# KiCad board mainboard.kicad_pcb (continued)
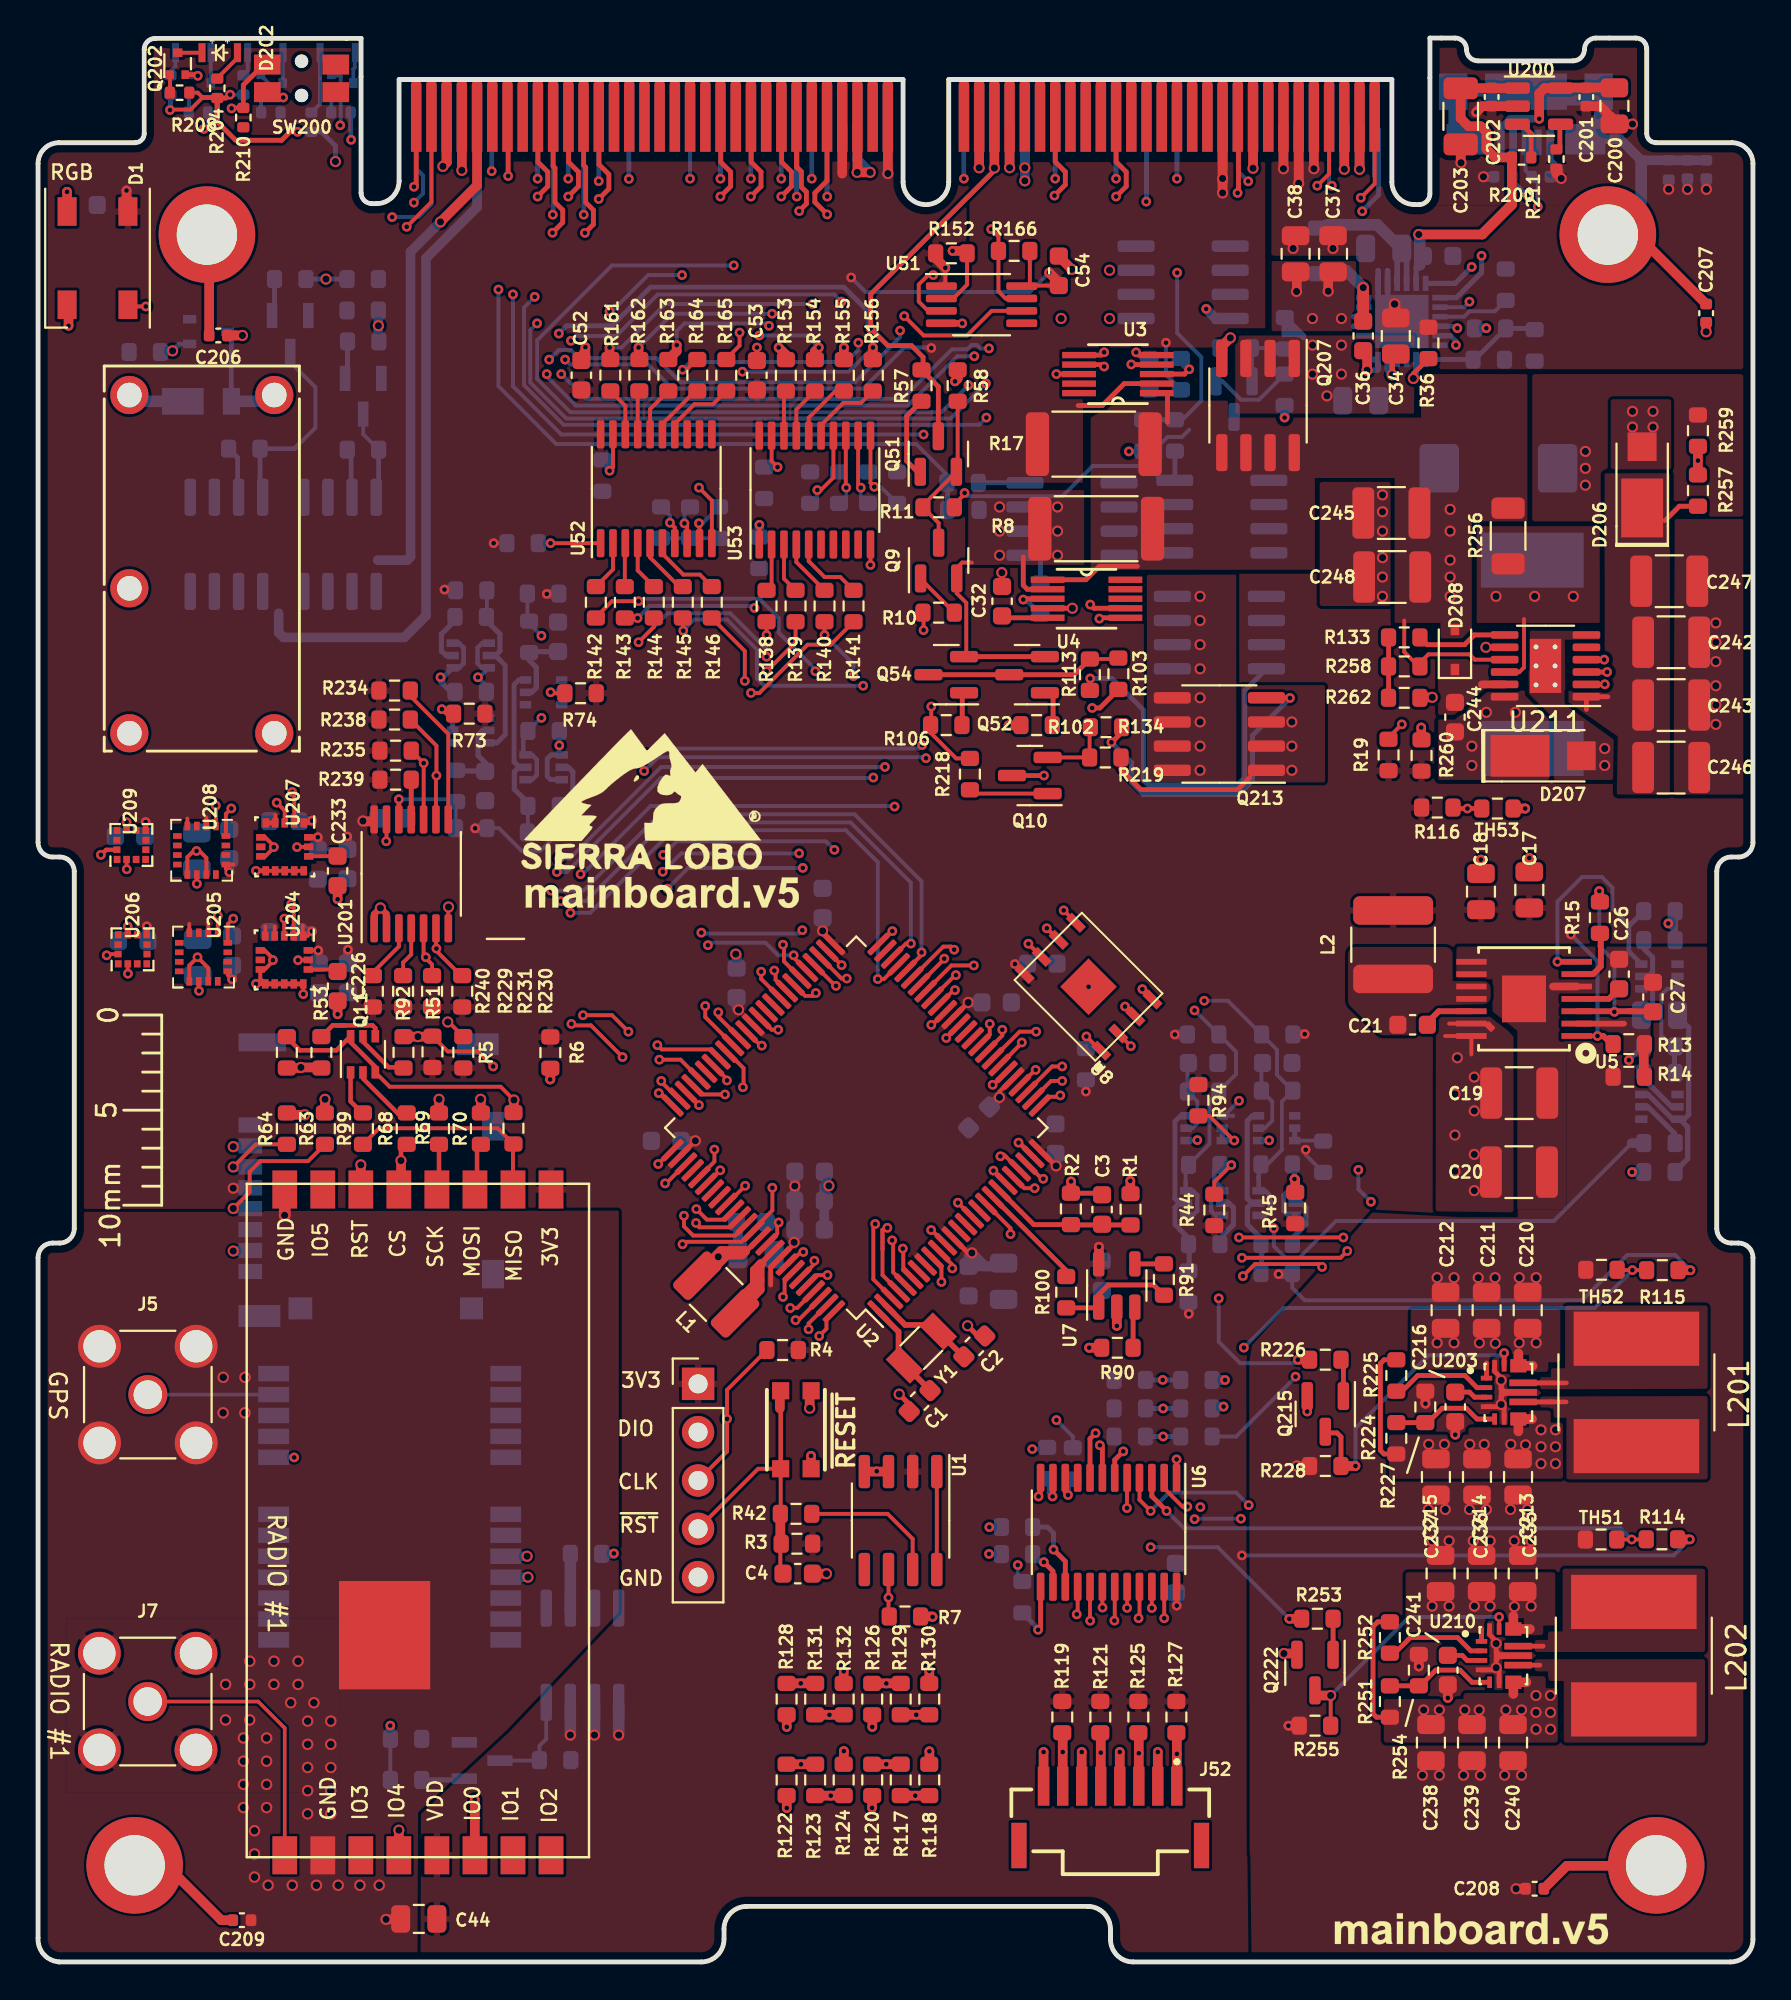
[diagram p0: board, top side]
## Routing (per net, layer and track width the routed paths; a pad name or vN(x,y) marks a point on that pad's centre or on a via; arc(x,y) is an arc through that point) (continued)
SLR_CHRG_NTC: length 105.5
  Top w0.203: v3(58.5,23.71) 57.91,24.3 U6.4
  Top w0.254: 74.45,60.64 v3(75.16,60.64) TH53.1
  In2.Cu w0.203: v3(75.16,60.64) 71.2,64.6 71.2,66.21 72.72,67.73 72.72,76.62 71.58,77.76 58.88,77.76 58.35,77.23 58.35,57.18 63.12,52.41 63.12,48.96 64.98,47.1 67.95,47.1 70.56,44.48 70.56,39.77 70.56,37.76 67.79,34.99 67.79,31.31 63.66,27.17 v3(63.66,24.02)
  Bottom w0.203: v3(63.66,24.02) 62.99,24.68 59.46,24.68 v3(58.5,23.71)
SLR_TLE_1: length 146
  Top w0.254: R120.2 v3(44.6,10.4) R117.1
  Top w0.508: R120.2 R117.1
  In2.Cu w0.203: v3(44.6,10.4) 41.61,10.4 41,11.01 39.02,11.01 38.36,11.67 38.36,14.77 40.36,16.78 49.23,16.78 51.41,18.96 53.33,18.96 54.75,20.38 59.78,20.38 62.11,22.71 62.11,27.79 64.39,30.08 64.39,31.98 66.14,33.73 66.14,38.5 67.49,39.85 67.49,43.7 ; v3(68.02,93.38) 66.63,91.99 64.38,91.99 62.38,89.98 51.41,89.98 45.93,84.49 45.93,63.03 46.69,62.27 48.37,62.27 58.93,51.71 58.93,46.85 61.44,44.34 66.81,44.34 67.45,43.7
  Bottom w0.203: v3(68.02,93.38) 67.88,93.52 P1.113
SLR_TLE_2: length 143
  Top w0.203: v3(67.26,93.38) 67.88,94.01 P1.114
  Top w0.254: R122.2 40.11,10.4 v3(40.12,10.39) 40.12,10.4 R123.1
  Top w0.508: R122.2 R123.1
  In2.Cu w0.203: v3(40.12,10.39) 38.87,10.39 37.75,11.52 37.75,14.77 40.08,17.11 45.27,17.11 47.45,19.29 53.06,19.29 54.48,20.71 59.64,20.71 61.78,22.85 61.78,27.93 64.06,30.21 64.06,32.14 65.81,33.9 65.81,38.64 67.16,39.99 67.16,43.52 66.78,43.9 60.71,43.9 58.58,46.04 58.58,51.6 48.54,61.63 46.31,61.63 45.57,62.37 45.57,84.65 51.24,90.31 58.37,90.31 59.46,91.4 63.33,91.4 64.3,92.37 66.25,92.37 v3(67.26,93.38)
SLR_TLE_3: length 136.4
  Top w0.203: P1.4 20.68,92.53 v3(19.38,91.22)
  Top w0.254: R126.2 44.6,14.65 v3(44.6,14.64) 44.61,14.65 R129.1
  Top w0.508: R126.2 R129.1
  In2.Cu w0.203: v3(46.48,63.97) 47.68,63.97 60,51.65 60,49.21 64.09,45.12 67,45.12 68.15,43.97 68.15,39.55 66.8,38.21 66.8,33.41 65.05,31.66 65.05,29.8 62.76,27.52 62.76,22.44 59.87,19.55 54.84,19.55 53.55,18.25 52.23,18.25 49.91,15.94 45.9,15.94 v3(44.6,14.64) ; v3(19.38,91.22) 19.38,90.77 23.14,87.01 28.76,87.01 30.69,85.09 30.69,83.48 31.32,82.84 31.32,73.29 32.08,72.53 32.08,63.5
  Bottom w0.203: v3(46.48,63.97) 46.31,63.79 32.32,63.79 v3(31.98,63.46)
SLR_TLE_4: length 143.4
  Top w0.254: R128.2 40.1,14.65 v3(40.1,14.65) 40.1,14.65 R131.1
  Top w0.508: R128.2 R131.1
  In2.Cu w0.203: v3(31.87,62.61) 30.94,63.54 30.94,82.59 29.54,83.99 29.54,84.87 27.74,86.68 22.02,86.68 18.62,90.08 v3(18.62,91.73) ; v3(40.1,14.65) 41.8,16.34 49.61,16.34 51.84,18.58 53.41,18.58 54.78,19.95 59.81,19.95 62.43,22.57 62.43,27.65 64.72,29.94 64.72,31.84 66.47,33.59 66.47,38.37 67.82,39.71 67.82,43.84 66.99,44.67 62.18,44.67 59.26,47.59 59.26,51.91 54.28,56.88 54.28,56.9 48.06,63.12 46.7,63.12 ; v3(46.69,63.28) 46.7,63.27
  Bottom w0.203: P1.3 20.68,92.4 20.02,91.73 v3(18.62,91.73) ; v3(31.87,62.61) 32.59,63.33 46.64,63.33 v3(46.69,63.28)
STAT: length 81.4
  Top w0.3: v2(71.2,83.44) 71.2,84.47
  In2.Cu w0.203: v3(16.46,95.8) 16.46,91.73 22.05,86.14 v3(26.24,86.14) ; v3(49.84,82.99) 52.48,85.64 57.74,85.64 62.82,80.56 68.31,80.56 v2(71.2,83.44) 75.04,87.29 v3(75.26,87.29)
  Bottom w0.203: v3(26.24,86.14) 25.88,85.79 25.88,83.03 27.77,81.14 47.98,81.14 v3(49.84,82.99) ; v3(75.26,87.29) 74.97,87 U17.2
  Bottom w0.235: R209.2 16.44,95.82
  Bottom w0.3: v2(71.2,83.44) 70.96,83.68 U17.11
SWCLK: length 20.1
  Top w0.203: v3(40.24,37.33) 40.11,37.33 39.45,36.67 U2.93 ; U2.93 39.38,36.67 ; U2.93 39.46,36.67 ; 38.32,32.17 36.23,30.07 v3(36.23,28.55) 36.23,26.84 J2.3
  In2.Cu w0.203: v3(36.23,28.55) 36.23,33.38 40.18,37.33 v3(40.24,37.33)
SWDIO: length 11.6
  Top w0.203: v3(39.17,34.96) 39.25,35.05 39.25,35.84 U2.94
  In2.Cu w0.203: J2.2 36.58,27.85 37.04,28.31 37.04,32.65 39.17,34.79 v3(39.17,34.96)
THM: length 6.1
  Bottom w0.254: 75.53,84.24 R34.2 78.44,85.88 ; U17.7 75.45,84.25
TX_MCU: length 30.3
  Top w0.203: U2.99 40.52,33.57 v3(40.52,33.26)
  In2.Cu w0.203: v2(25.76,20.23) 27.56,18.43 35.54,18.43 37.87,20.76 37.87,30.49 40.52,33.14 v3(40.52,33.26)
  Bottom w0.508: v2(25.76,20.23) U14.21
TX_MCU_2: length 32
  Top w0.203: R144.1 32.38,70.18 v3(31.57,69.38) ; v3(42.52,51.7) 42.25,51.7 U2.53
  In2.Cu w0.203: v3(38.31,68.62) 38.88,68.05 38.88,56.44 40.08,55.23 41.86,55.23 42.88,54.22 42.88,52.06 v3(42.52,51.7)
  Bottom w0.203: v3(38.31,68.62) 38.31,69 36.4,70.9 33.1,70.9 v3(31.57,69.38)
TX_MCU_3: length 32.9
  Top w0.203: v3(49.2,52.39) 48.02,52.39 U2.43 ; 33.93,70.63 v3(33.93,69.99)
  In2.Cu w0.203: v3(49.2,52.39) 49.2,54.04 43.39,59.86 v3(43.39,67.09)
  Bottom w0.203: v3(33.93,69.99) 34.51,70.57 36.22,70.57 37.8,69 37.8,67.48 38.18,67.09 v3(43.39,67.09)
TX_MCU_4: length 23.8
  Top w0.203: v3(37.16,67.35) 37.16,68.92 R146.1 ; U2.57 40.33,50.79 40.74,50.79 v3(40.9,50.94)
  In2.Cu w0.203: v3(40.9,50.94) 40.24,51.6 40.24,53.28 38.18,55.33 38.18,66.84 37.67,67.35 v3(37.16,67.35)
USB_D+: length 108
  Top w0.203: v3(32.64,45.68) 32.71,45.68 U2.75
  In2.Cu w0.203: v3(50,84.83) 50,84.87 52.57,87.44 59.04,87.44 60.72,85.77 61.87,85.77 65.07,88.97 75.23,88.97 v3(75.38,89.11) 76.14,89.11 78.76,91.73 78.76,92.19 v3(78.86,92.28) 78.83,92.25 ; v3(32.64,45.68) 34.02,45.68 34.77,46.43 34.77,47.48 30.86,51.39 30.86,59.3 30.28,59.88 30.28,70.49 29.54,71.22 29.54,81.13 27.36,83.32 27.36,83.32 v3(27.51,83.48)
  Bottom w0.203: v3(27.51,83.48) 28.81,82.18 45.45,82.18 48.05,84.78 48.86,84.78 49.09,85.01 49.36,85.01 49.55,84.83 v3(50,84.83) ; v3(78.86,92.28) 78.86,93.54 Z200.1 78.21,94.18 J200.3
  Bottom w0.272: v3(75.38,89.11) 74.51,88.25 U17.24
USB_D-: length 108.7
  Top w0.203: 33.66,45.38 32.77,46.27 v3(32.77,46.32)
  In2.Cu w0.203: v3(78.31,92.88) 78.31,91.92 76.09,89.7 v3(75.9,89.7) 75.14,89.7 74.85,89.42 64.88,89.42 61.68,86.22 60.9,86.22 59.23,87.89 52.39,87.89 49.23,84.74 v3(49.23,84.42) ; v3(26.75,83.48) 26.9,83.32 26.9,83.13 29.03,81 29.03,71.09 29.82,70.3 29.82,59.45 30.41,58.86 30.41,51.2 34.32,47.29 34.32,46.61 33.83,46.12 32.96,46.12 v3(32.77,46.32)
  Bottom w0.203: v3(26.75,83.48) 26.75,83.35 28.28,81.83 45.74,81.83 48.33,84.42 v3(49.23,84.42) ; 77.52,93.67 v3(78.31,92.88) ; J200.2 77.56,93.89
  Bottom w0.272: U17.1 74.58,87.5 75.9,88.81 v3(75.9,89.7)
VBURN1: length 36.2
  Bottom w0.508: P1.9 23.08,92.26 20.4,89.57 20.4,70.78 19.26,69.63 12.91,69.63 12.65,69.89 12.65,70.9
VBURN2: length 25.9
  Top w0.508: v2(21.16,91.48) 21.16,91.48 23.08,93.4 P1.10
  Bottom w0.508: v2(21.16,91.48) 19.59,89.9 19.59,73.88 19.41,73.7 17.86,73.7
VCHRG: length 14
  Top w0.203: 72.66,68.3 73.1,68.75 75.26,68.75 75.54,68.46 U211.9 ; 71.83,70.52 71.83,68.87 72.6,68.11
  Top w0.254: 59.39,82.46 59.39,80.94 ; U4.1 55.1,72.67 55.8,73.37 57.8,73.37
  vias: v2(74.25,76.37) v2(74.25,75.22) v2(74.25,73.7) v2(74.25,72.81) v2(74.25,71.79)
VCHRG_USB: length 5.5
  Bottom w0.203: 65.48,86.38 65.48,85.51
  Bottom w0.305: R216.1 65.55,86.28 65.85,85.98 ; R216.1 65.55,85.69 65.66,85.59 ; R216.1 65.56,86.45 66.53,85.48 66.53,85.41 ; R216.1 65.55,86.38 ; 65.86,85.59 65.85,85.6 65.85,85.98 ; 65.86,85.59 66.2,85.59 ; 65.86,85.59 65.56,85.59 ; 65.85,85.98 66.3,85.53
  vias: v2(67.01,85) v2(67.01,83.48) v2(67.77,82.33) v2(68.53,85) v2(68.53,83.48)
VPYLD_NTC: length 28.7
  Top w0.203: TH51.1 v3(83.8,22.21) 84.55,22.21
  Top w0.254: v3(59.34,23.71) 58.56,24.49 U6.3
  Bottom w0.203: v3(83.8,22.21) 83.21,22.8 60.25,22.8 v3(59.34,23.71)
VRF_NTC: length 35.5
  Top w0.203: v3(60.43,23.94) 60.17,23.94 59.21,24.9 U6.2 ; R115.2 v3(83.83,36.37) 83.05,36.37
  In2.Cu w0.203: v3(63.4,32.3) 63.22,32.3 60.51,29.58 60.51,24.02 v3(60.43,23.94)
  Bottom w0.203: v3(63.4,32.3) 65.48,34.38 81.84,34.38 v3(83.83,36.37)
VSOLAR: length 117.6
  Top w0.508: P1.7 22.28,94.25 ; P1.117 69.48,94.21
  In2.Cu w0.203: v2(84.91,80.69) 84.91,73.83 81.23,70.14 78.06,70.14 76.28,68.36 75.9,68.36 75.52,68.75 75.52,76.59 73.21,78.91 57.94,78.91 57.36,78.32 57.36,56.77 62.13,52 62.13,48.55 64.57,46.11 67.54,46.11 69.55,44.1 69.55,41.77 v3(69.42,41.64) ; v3(66.12,30.77) 66.7,30.77 67.47,31.53 67.47,35.24 70.08,37.86 v3(70.08,39.97)
  Bottom w0.203: v3(66.12,30.77) 66.12,30.75 63,27.62 R59.1 ; v3(70.08,39.97) 69.42,40.63 v3(69.42,41.64)
  Bottom w0.508: P1.117 v2(69.48,94.25) ; P1.7 v2(22.28,94.19)
  vias: v2(83.84,81.52) v2(83.84,80.69) v2(84.91,81.52)
WDT_WDI: length 44.8
  Top w0.203: v3(34.75,45.05) 34.07,45.73 U2.73 ; 44.72,18.2 v3(44.72,19.15) U1.6
  In2.Cu w0.203: v3(34.75,45.05) 34.75,45 37.7,42.05 37.7,40.6 38.08,40.22 39.46,40.22 44.84,34.84 45.49,34.84 52.94,27.39 52.94,26.61 52.09,25.76 52.09,20.68 51.77,20.36 45.92,20.36 v3(44.72,19.15)
~{CHRG_SHDN}: length 132.6
  Top w0.203: v3(71.71,65.06) 71.01,64.36 ; 36.29,46.34 U2.69 ; v3(63.3,37.02) 68.48,37.02 v3(68.84,37.38)
  Top w0.254: U211.3 v3(82.5,67.81)
  In2.Cu w0.203: v3(68.84,37.38) 69.5,38.04 69.5,40.42 70.23,41.16 70.23,44.35 67.81,46.77 64.84,46.77 62.79,48.83 62.79,52.27 58.02,57.05 58.02,77.48 58.68,78.14 72.09,78.14 73.23,77 73.23,67.77 71.71,66.25 v3(71.71,65.06) 72.47,64.3 73.23,64.3 73.48,64.55 78.56,64.55 81.82,67.81 v3(82.5,67.81) ; v3(36.22,46.34) 36.53,46.65 37.39,46.65 42.24,41.8 42.24,38.87 44.95,36.16 46.13,36.16 48.77,38.8 58.73,38.8 60.51,37.02 v3(63.3,37.02)
~{CHRG}: length 112.1
  Top w0.203: v3(48.36,39.92) 48.67,39.61 48.68,39.61 U2.15 ; v3(68.63,38.09) v3(63.15,38.09)
  Top w0.254: v3(82.35,68.47) 82.35,68.46 U211.4
  Top w0.508: v3(72.73,64.9) 72.73,64.27 R260.2
  In2.Cu w0.203: v3(63.15,38.09) 60.2,38.09 59.03,39.26 49.02,39.26 v3(48.36,39.92) ; v3(68.63,38.09) 68.89,38.09 69.17,38.37 69.17,40.65 69.9,41.39 69.9,44.21 67.67,46.44 64.71,46.44 62.46,48.69 62.46,52.14 57.69,56.91 57.69,77.81 58.45,78.58 72.54,78.58 73.61,77.51 73.61,67.5 74.12,66.99 74.12,66.29 v3(72.73,64.9) 78.4,64.9 81.97,68.47 v3(82.35,68.47)
~{MUX_EN}: length 18.8
  Top w0.203: U2.96 40.93,36.11 41.51,36.11 v3(41.51,36.11)
  In2.Cu w0.203: v3(41.51,36.11) 41.51,36.08 50.12,27.47 50.12,22.96 v3(50.02,22.86)
  Bottom w0.203: v3(50.02,22.86) 50.02,22.86 R89.1
~{RESET}: length 143.5
  Top w0.203: 39.03,20.55 R42.1 39.05,23.58 SW1.A' 37.86,25.93 J2.4 ; v3(33.89,37.73) 34.01,37.86 36.99,37.86 37.56,38.44 U2.88 37.6,38.5 38.61,39.51 v3(38.61,40.7)
  Top w0.235: SW1.A' 39.05,29.06 ; SW1.A 39.05,29.15 ; R210.2 10.2,97.47 v3(10.18,97.45)
  Top w0.254: 11.87,99.75 10.79,98.68 R210.2
  Top w0.508: SW1.A 39,29.98 39,29.1 ; R42.1 39.03,22.03 R3.2
  In2.Cu w0.203: v3(42.24,87.29) 42.58,87.29 48.68,93.39 v3(48.68,93.75) ; v3(10.18,97.45) 10.18,96.09 21.14,85.13 27.92,85.13 v3(28.02,85.23) 28.02,84.75 30.61,82.16 30.61,60.31 31.19,59.73 31.19,51.57 35.61,47.16 35.61,45.2 38.61,42.2 v3(38.61,40.7) ; v3(33.89,37.73) 33.43,37.27 33.43,24.05 J2.4
  Bottom w0.203: v3(42.24,87.29) 41.86,87.67 32.59,87.67 30.41,85.49 28.28,85.49 v3(28.02,85.23)
  Bottom w0.254: v3(48.68,93.75) 48.68,96.55
~{SELF_TEST}: length 90.1
  Top w0.203: U2.78 33.03,40.93 v3(32.97,40.93)
  Top w0.508: R6.2 26.94,46.4 v3(26.93,46.39)
  In2.Cu w0.203: v3(32.97,40.93) 32.46,40.93 27,46.39 v3(26.93,46.39) 26.93,50.48 28.58,52.13 28.58,57.14 v3(28.53,57.19) ; v3(63.63,93.61) 63.63,92.16 63.2,91.73 59.33,91.73 58.24,90.64 51.1,90.64 45.16,84.71 45.16,60.87 v3(45.04,60.74)
  Bottom w0.203: P1.101 63.08,94.16 v3(63.63,93.61) ; 45.04,60.77 32.21,60.77 28.63,57.19 v3(28.53,57.19)
~{USB_EN}: length 1.2
  Top w0.254: 80.02,96.61 80.02,95.47 79.96,95.42
Net-(C6-Pad1): length 12
  Bottom w0.272: 86.04,41.53 86.74,42.23 86.74,43.89 86.33,44.3 ; 86.04,49.88 86.79,49.13 86.79,44.54 86.55,44.3 Q3.3 85.95,44.3 84.65,45.6 Q3.6
Net-(C6-Pad2): length 4.4
  Bottom w0.272: 84.49,49.91 84.89,50.31 84.89,51.57 84.65,51.81 84.89,52.05 84.89,52.82 84.47,53.24 84.47,53.72
Net-(C7-Pad2): length 1.7
  Top w0.254: U3.5 57.88,84.48 v3(57.74,84.62)
  Bottom w0.254: 58.1,84.25 v3(57.74,84.62)
Net-(C8-Pad1): length 4.2
  Bottom w0.272: 21.99,62.61 23.51,62.61 23.51,63.05 23.14,63.42 23.14,64.5 23.38,64.74 Q12.5
Net-(C12-Pad2): length 10.2
  Top w0.254: U2.89 37.25,37.38 37.18,37.38
  Top w0.508: 35.17,36.13 36.42,37.38 ; 37.05,37.25 37.18,37.38 35.91,37.38 34.67,36.13 ; 35.72,37.19 35.72,37.12 v2(35.77,37.07) 35.88,37.19 36.99,37.19
  Bottom w0.508: v2(35.77,37.07) 35.88,37.19 C14.1 36.8,38.83
Net-(C21-Pad2): length 2.5
  Top w0.305: 73.06,49.4 73.65,49.98 U5.12
Net-(C26-Pad1): length 1.9
  Top w0.305: 83.11,51.15 82.59,50.63 81.43,50.63
Net-(C27-Pad1): length 13.5
  Top w0.279: 85.2,49.97 83.83,49.97 ; 82.09,56.17 82.09,55.53
  Top w0.305: C27.1 84.88,49.98 83.64,49.98 ; U5.3 83.64,49.98 ; 83.64,49.98 83.82,49.98
  Top w0.508: v3(82.09,56.3) 82.09,55.76 R15.2
  Bottom w0.203: v3(82.09,56.3) 82.09,53.41 82.88,52.62 v3(82.88,49.95)
Net-(C32-Pad2): length 2
  Top w0.254: U4.5 51.04,70.67
Net-(C35-Pad2): length 7.5
  Bottom w0.3: U17.21 71.46,89.68 ; U17.22 71.96,89.78
  Bottom w0.61: 67.77,91.33 70.41,91.33 71.76,89.98
Net-(C36-Pad1): length 5.2
  Top w0.61: 69.68,86.27 v2(69.68,88.02)
  Bottom w0.272: 69.49,87 69.49,87.5 ; 69.93,87 69.93,87.5
  Bottom w0.61: v2(69.68,88.02) 68.77,88.93 67.77,88.93 ; 69.68,87.64 69.68,87.77
Net-(C36-Pad2): length 3.3
  Top w0.508: C36.2 69.88,84.51 v2(69.88,83.68)
  Bottom w0.3: 70.46,83.73 70.41,83.68 v2(69.88,83.68) 69.88,84.1 70.03,84.25 U17.12 70.46,83.73
Net-(C40-Pad1): length 4.2
  Bottom w0.272: Q13.5 25.95,66.74 26.19,66.98 26.19,68.07 25.82,68.44 25.82,68.88 27.34,68.88
Net-(C41-Pad1): length 4.1
  Bottom w0.203: 64.32,47.2 R95.2 64.89,45.24 64.89,44.22 64.5,43.83 Q18.5
Net-(C42-Pad1): length 4
  Bottom w0.203: 60.43,47.21 R96.2 60.96,45.24 60.96,44.09 60.69,43.83 Q19.5
Net-(C200-Pad1): length 8.2
  Top w0.508: 82.7,98.54 80.05,98.54 ; 80.02,98.51 79.21,98.51 78.93,98.23 v3(78.93,96.9)
  Bottom w0.381: J200.1 76.91,96.41 77.4,96.9 v3(78.93,96.9)
Net-(C216-Pad2): length 1.8
  Top w0.254: C216.2 75.27,29.96 75.53,29.69 U203.3
Net-(C225-Pad1): length 1.2
  Top w0.203: v3(8.46,51.06) 8.45,51.07 U205.10
  Bottom w0.203: v3(8.46,51.06) 8.46,51.79
Net-(C226-Pad1): length 1.4
  Top w0.203: U204.14 15.64,52.18
Net-(C232-Pad1): length 1.3
  Top w0.203: U208.10 8.35,56.68 v3(8.35,56.68)
  Bottom w0.203: v3(8.35,56.68) 8.35,57.45
Net-(C233-Pad1): length 1.5
  Top w0.203: C233.1 14.24,58.13
Net-(C241-Pad2): length 1.8
  Top w0.254: C241.2 74.88,16.12 75.14,15.85 75.77,15.85
Net-(C242-Pad1): length 3.8
  Top w0.254: 81.41,65.84 U211.1 82.54,66.51 ; 85.55,75.78 86.3,76.53 R257.1
Net-(C244-Pad1):
  vias: v2(75.39,63.92) v2(75.39,62.9) v2(76.15,65.7) v2(77.68,65.7)
Net-(C244-Pad2): length 1.2
  Top w0.406: U211.11 75.92,67.16
Net-(D1-Pad4): length 64.2
  Top w0.203: v3(28.65,49.77) 30.18,49.77 v3(31.04,48.91) ; v3(32.67,47.43) 33.78,47.43 U2.71 ; v3(5.67,87.03) 4.82,87.03
  In2.Cu w0.203: v3(5.67,87.03) 13.16,87.03 17.1,83.1 23.95,83.1 27.84,79.21 27.84,70.45 28.57,69.72 28.57,58.92 29.39,58.1 29.39,51.68 28.65,50.94 v3(28.65,49.77) ; v3(31.04,48.91) 32.31,47.64 32.46,47.64 v3(32.67,47.43)
Net-(D4-PadA): length 5.9
  Bottom w0.203: 10.16,85.52 Q6.3
  Bottom w0.254: D4.A 10.16,85.52
  Bottom w0.61: D4.A 12.29,82.05
Net-(D200-Pad1): length 1.6
  Bottom w0.203: Q200.3 D200.1
Net-(D200-Pad2): length 1.3
  Bottom w0.203: D200.2 7.22,99.65 6.96,99.39 R202.2
Net-(D201-Pad1): length 1.6
  Bottom w0.203: Q201.3 12.87,100.36
Net-(D201-Pad2): length 1.3
  Bottom w0.203: R203.2 11.02,99.42 D201.2
Net-(D202-Pad1): length 1.3
  Top w0.203: Q202.3 8.62,100.37
Net-(D202-Pad2): length 1.5
  Top w0.203: 9.42,99.03 10.48,100.09
Net-(D203-Pad1): length 1.6
  Bottom w0.203: Q203.3 16.58,99.52 16.65,99.59 16.65,100.38
Net-(D203-Pad2): length 3.3
  Bottom w0.203: R205.2 14.82,97.68 D203.2
Net-(L1-Pad1): length 7.6
  Top w0.254: 38.62,37.33 37.94,36.65 37.94,36.61
  Top w0.508: 36.7,34.61 37.94,35.85 ; 37.69,35.09 37.69,36.36 38.04,36.71 ; 36.7,34.1 37.94,35.34 37.94,36.61
Net-(L201-Pad1): length 2.3
  Top w0.235: 79.72,30.44 80.37,30.44
  Top w0.254: U203.11 79.72,30.44
Net-(L201-Pad2): length 2.5
  Top w0.235: 79.48,29.44 80.35,29.44
  Top w0.254: U203.9 79.72,29.44
Net-(L202-Pad1): length 1.3
  Top w0.254: U210.11 79.13,16.6
Net-(L202-Pad2): length 1.1
  Top w0.254: U210.9 78.96,15.6
Net-(L203-Pad1): length 3.7
  Top w0.203: 78.13,70.6 78.13,68.06 77.88,67.81 77.12,67.81
  vias: v2(76.66,71.79) v2(78.69,71.79) v2(80.72,71.79)
Net-(Q1-Pad1): length 2.1
  Bottom w0.272: 20.2,9.57 22.35,9.57
Net-(Q1-Pad3): length 5.2
  Bottom w0.203: Q22.4 26.72,11.72 26.36,11.36 R23.2 ; Q1.3 26.34,10.59
Net-(Q2-Pad2): length 6.2
  Bottom w0.203: 86.08,48.38 85.68,48.38 85.35,48.71 85.35,50.84 85.67,51.16 Q2.3
  Bottom w0.272: Q2.3 Q2.2 ; 86.04,46.86 86.04,48.38
Net-(Q3-Pad2): length 2.8
  Bottom w0.272: Q3.2 85.9,44.95 84.47,46.38 84.47,46.86
Net-(Q3-Pad5): length 2.8
  Bottom w0.272: Q3.5 84.65,44.95 86.04,43.57 86.04,43.05
Net-(Q4-Pad1): length 1.8
  Bottom w0.254: R32.1 12.43,86.68
Net-(Q5-Pad1): length 1.8
  Bottom w0.254: R33.1 16.27,83.38
Net-(Q7-Pad2): length 2.6
  Bottom w0.272: 21.96,70.56 21.21,69.81 21.21,68.92 21.45,68.68 Q7.2
Net-(Q8-Pad2): length 2.6
  Bottom w0.272: Q8.2 27.88,62.81 28.12,62.57 28.12,61.49 27.53,60.9
Net-(Q9-Pad1): length 2.5
  Top w0.203: 46.4,72.71 R10.1
Net-(Q10-Pad1): length 3.9
  Top w0.203: Q10.1 49.2,61.42
Net-(Q10-Pad2): length 3.8
  Top w0.203: Q10.2 55.29,63.32 ; R219.2 55.29,64.88
Net-(Q11-Pad1): length 2.3
  Top w0.235: 17.08,44.6 16.43,45.25 16.43,46.67
Net-(Q11-Pad2): length 3
  Top w0.235: 17.08,46.45 18.93,44.6 19.08,44.6 ; Q11.2 17.08,46.55
Net-(Q11-Pad4): length 4.6
  Top w0.203: 16.16,49.24 15.49,49.24
  Top w0.235: 15.71,49.24 16.04,49.24 ; 16.04,49.24 17.59,49.24 17.73,49.09 Q11.4 ; 16.04,49.24 15.49,49.24 R53.1
Net-(Q11-Pad5): length 2.8
  Top w0.235: Q11.5 17.08,48.38 18.43,47.03 19.08,47.03
Net-(Q12-Pad2): length 2.1